# Altium PCB RYA_KiteUp.PcbDoc (part 3 of 3)
Units mil, origin at the board's own origin, x right, y up, seen from the top; angles counter-clockwise.
Board outline 3989.4 x 6289.4 mil, 2 copper layers (Top Layer, Bottom Layer); 144 components, 104 nets, 490 pads, 1685 vias.
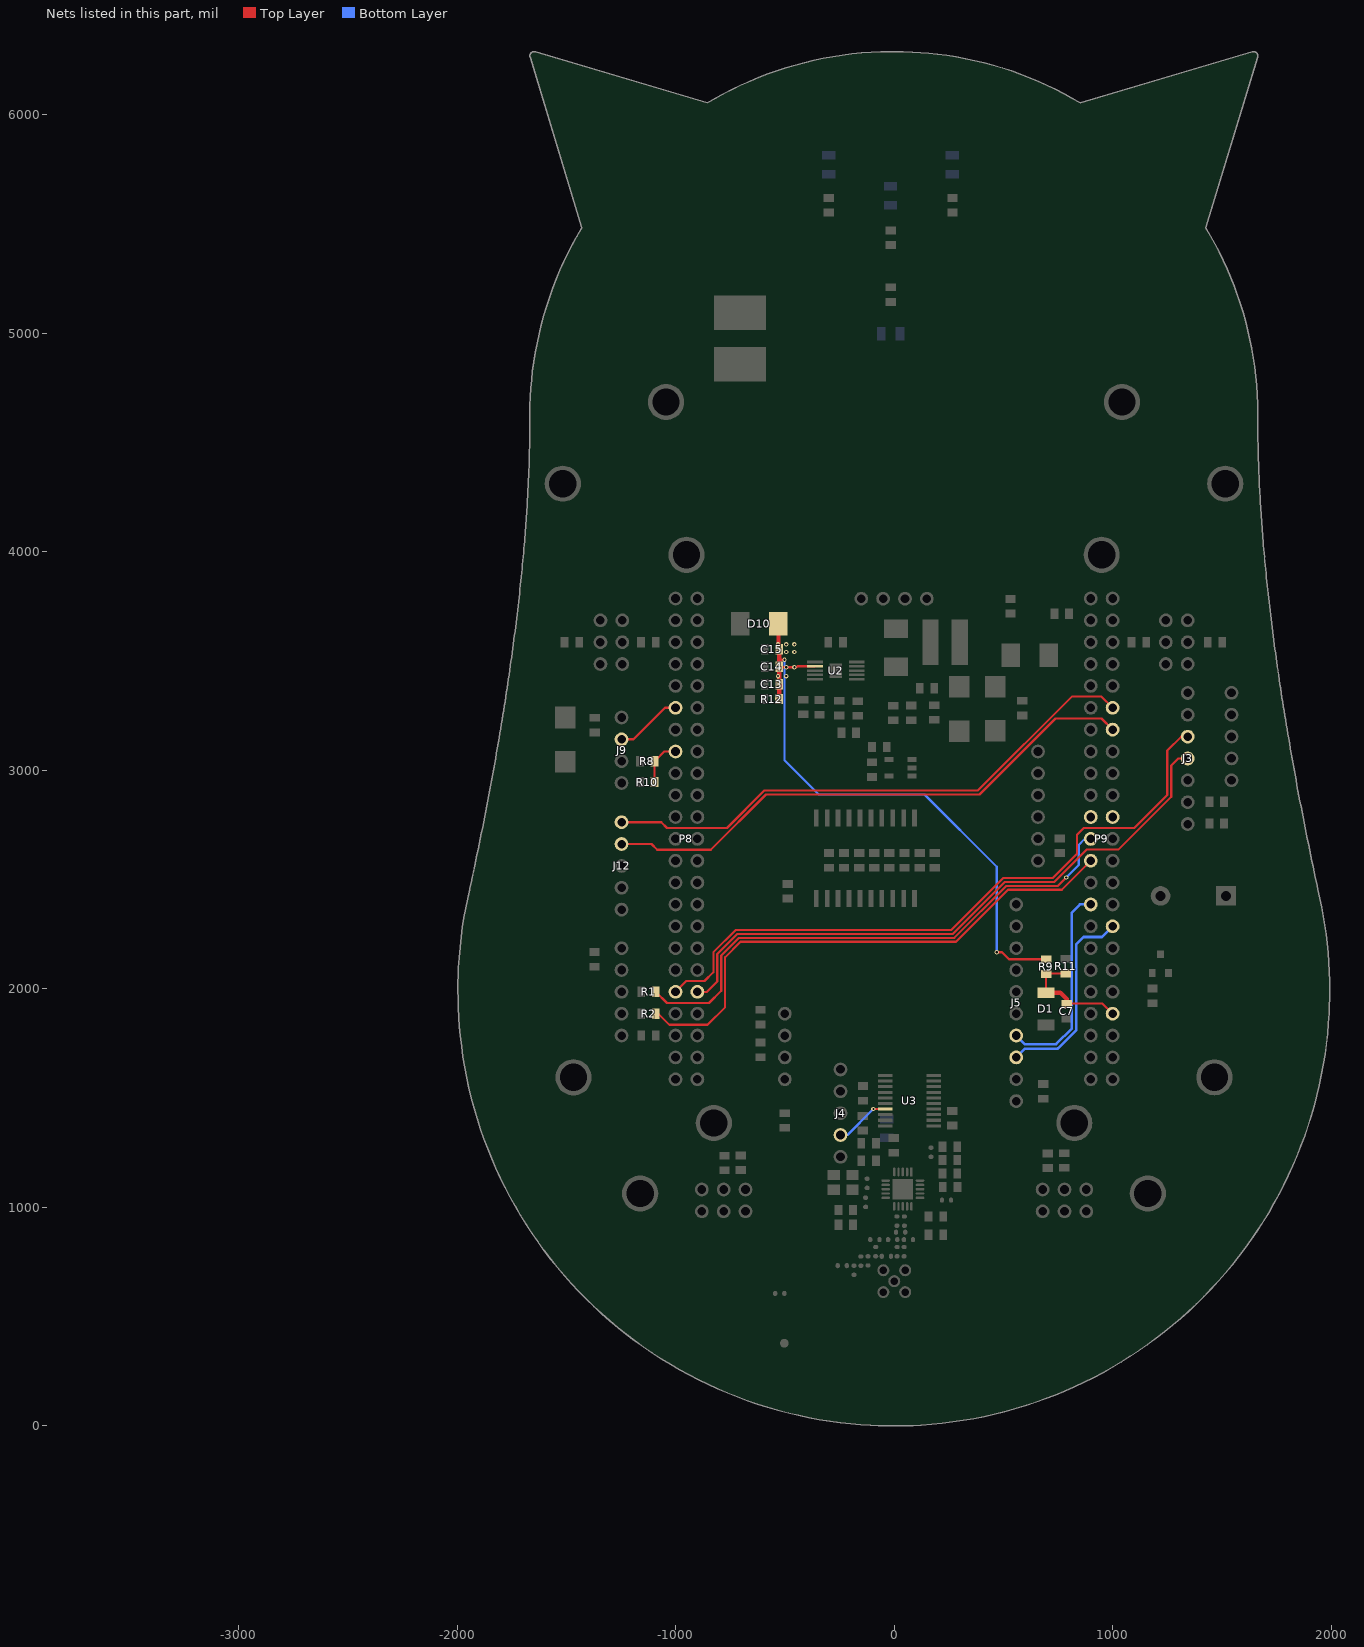
[diagram p3: the nets of this part, all layers, seen from the top]

## Via types
v1: diameter 20, hole 10, Top Layer to Bottom Layer, tented both sides, 1654 vias
v2: diameter 16, hole 8, Top Layer to Bottom Layer, tented both sides, 26 vias
v3: diameter 23.62, hole 11.81, Top Layer to Bottom Layer, tented both sides, 5 vias

## Nets (pads, with @x,y where several pads share a name; then routed paths per layer and width w, separated by ;. In a path a pad name is that pad's centre, name@x,y a point inside that pad or via, vN(x,y) a via of type N, cw(c..) or ccw(c..) an arc to the next point about the centre after c; other vN are vias at no path point) (continued)
SPI1_MOSI: J5.4 P9.30 | length 933.3
  Bottom Layer w11.81: J5.4@559,1786 599.19,1745.81 740.79,1745.81 741.98,1747 813.19,1818.19 813.19,2348.19 850.93,2385.93 P9.30@900.03,2385.93
SPI1_SCLK: J5.3 P9.31 | length 919.8
  Bottom Layer w11.81: J5.3@559,1686 599,1726 749,1726 750.19,1727.19 833,1809.98 833,2203 867,2237 951.1,2237 P9.31@1000.03,2285.93
SR04_ECHO: P8.16 R8.1 R10.1 | length 212.7
  Top Layer w10: R10.1@-1095.9,2945.94 R8.1@-1095.9,3040.94 ; R8.1@-1091.1,3035.94 -1091.1,3045.94 -1051.11,3085.93 P8.16@-999.97,3085.93
SR04_TRIG: J9.2 P8.12 | length 306.9
  Top Layer w10: J9.2@-1247.04,3141.51 -1192.49,3141.51 -1048.07,3285.93 P8.12@-999.97,3285.93
TEST: J4.2 U3.17 | length 253.3
  Top Layer w10: v1(-94.6,1449.6) U3.17@-40.9,1449.6
  Bottom Layer w10: J4.2@-245.1,1330.94 -213.25,1330.94 v1(-94.6,1449.6)
UART1_RX: P9.26 R2.2 | length 2456.2
  Top Layer w10: R2.2@-1090.17,1885.94 -1079.06,1885.94 -1028.11,1835 -854,1835 -773,1916 -773,2144.45 -702.46,2215 283.54,2215 521.54,2453 767.1,2453 P9.26@900.03,2585.93
UART1_TX: P9.24 R1.2 | length 2470.5
  Top Layer w10: R1.2@-1090.17,1985.94 -1039.22,1935 -847,1935 -791,1991 -791,2151.91 -709.91,2233 276.09,2233 514.09,2471 750,2471 v1(788,2509)
  Bottom Layer w10: v1(788,2509) 845,2566 845,2658 872.93,2685.93 P9.24@900.03,2685.93
UART2_RX: P9.22
UART2_TX: P9.21
UART4_RX: J12.1 P9.11 | length 2528
  Top Layer w10: J12.1@-1247.04,2762.27 -1065.27,2762.27 -1039,2736 -764.46,2736 -593.46,2907 383.54,2907 813.54,3337 948.96,3337 P9.11@1000.03,3285.93
UART4_TX: J12.2 P9.13 | length 2528
  Top Layer w10: J12.2@-1247.04,2662.27 -1110.36,2662.27 -1084.1,2636 -839,2636 -586,2889 391,2889 739,3237 948.96,3237 P9.13@1000.03,3185.93
UART5_RX: J3.3 P8.38 | length 3050.7
  Top Layer w10: P8.38@-999.97,1985.93 -950.62,2035.27 -867.28,2035.27 -827,2075.55 -827,2166.82 -724.82,2269 261.18,2269 499.18,2507 725.54,2507 837,2618.46 837,2704.67 868,2735.67 1099.21,2735.67 1250,2886.46 1250,3090 1313.78,3153.78 J3.3@1343.82,3153.78
UART5_TX: J3.4 P8.37 | length 2843.7
  Top Layer w10: P8.37@-899.97,1985.93 -856.39,1985.93 -809,2033.31 -809,2159.37 -717.37,2251 268.63,2251 506.63,2489 733,2489 880.72,2636.72 1025.72,2636.72 1268,2879 1268,3022 1299.78,3053.78 J3.4@1343.82,3053.78
VBAT: C13.2 C14.2 C15.2 D10.2 R9.1 R12.1 U2.2 | length 2805.2
  Top Layer w10: v1@-525.37,3433.19 v1@-523.12,3430.94 ; C14.2@-525.37,3473.19 -523.12,3470.94 v1(-493.6,3470.94) v1(-456.1,3470.94) -446.1,3470.94 -441.41,3475.63 U2.2@-361.57,3475.63 ; -525.37,3505.94 v1(-501.1,3505.94) ; v1(470,2167) 494,2167 526.06,2134.94 R9.1@695.9,2134.94
  Top Layer w20: D10.2@-529.09,3670.94 -529.09,3556.95 C15.2@-525.37,3553.23 -525.37,3505.94 C14.2@-525.37,3473.19 -525.37,3433.19 C13.2@-525.37,3393.15 -525.37,3327.52 R12.1@-526.94,3325.94
  Bottom Layer w10: v1(-501.1,3505.94) -501.1,3045.1 -345,2889 139,2889 470,2558 v1(470,2167)
  other v1: -531.1,3380.94 -531.1,3430.94 -493.6,3430.94 -531.1,3470.94 -531.1,3540.94 -493.6,3540.94 -456.1,3540.94 -531.1,3575.94 -493.6,3575.94 -456.1,3575.94
VBAT_SENSE: C7.2 D1.2 P9.39 R9.2 R11.1 | length 533.2
  Top Layer w10: D1.2@694.9,1981.76 695.9,1982.76 R9.2@695.9,2068.02 697.89,2070 R11.1@785,2070 ; C7.2@789.9,1932.87 953.09,1932.87 P9.39@1000.03,1885.93
  Top Layer w20: D1.2@694.9,1981.76 761.09,1981.76 789.9,1952.94 C7.2@789.9,1932.87
pads on no net: 1.1 2.1 3.1 4.1 H1.1 H2.1 H3.1 H4.1 H5.1 H6.1 H8.1 J5.5 J5.6 K7.1 P8.3 P8.4 P8.5 P8.6 P8.8 P8.10 P8.13 P8.14 P8.17 P8.18 P8.19 P8.20 P8.21 P8.22 P8.23 P8.24 P8.25 P8.26 P8.31 P8.33 P8.34 P8.35 P8.36 P8.43 P8.44 P8.45 P8.46 P9.9 P9.10 P9.12 P9.14 P9.15 P9.16 P9.23 P9.27 P9.32 P9.33 P9.34 P9.35 P9.36 P9.37 P9.38 P9.40 P9.41 P9.43 P9.44 P9.45 P9.46 U2.6 U3.2 U3.9 U3.10 U3.18 U3.19

## Polygon pours and split planes (outlines as drawn)
GND on Bottom Layer "Bottom Layer-No Net 1" (solid, remove dead copper, pour order 14): 280 vertices, not listed, extent -1990.54,17.32 1959.46,6267.32
GND on Top Layer "Top Layer - Gnd" (solid, remove dead copper, pour order 18): 280 vertices, not listed, extent -1990.54,17.32 1959.46,6267.32

## Keep-outs
Keep-Out Layer:
  lines w0.5: -3754.75,-780.75 -3754.53,-779.72 -3753.42,-774.58 ; 795.92,348.82 796.03,348.31
  lines w39.37: -1922.82,2450.07 -1921.7,2455.22 -1916.17,2480.94 -1910.69,2506.57 -1905.26,2532.12 -1899.9,2557.59 -1894.59,2582.98 -1889.33,2608.29 -1884.13,2633.52 -1878.99,2658.67 -1873.9,2683.73 -1868.88,2708.72 -1863.9,2733.63 -1858.99,2758.45 -1854.13,2783.2 -1849.32,2807.87 -1844.57,2832.45 -1839.88,2856.95 -1835.25,2881.38 -1830.67,2905.72 -1826.15,2929.98 -1821.68,2954.17 -1817.27,2978.27 -1812.92,3002.29 -1808.62,3026.23 -1804.38,3050.09 -1800.2,3073.87 -1796.07,3097.57 -1792,3121.19 -1787.98,3144.73 -1784.41,3165.84 -1780.89,3186.89 -1777.42,3207.88 -1773.99,3228.8 -1770.61,3249.65 -1767.27,3270.44 -1763.98,3291.17 -1760.73,3311.83 -1757.53,3332.42 -1754.38,3352.95 -1751.27,3373.41 -1748.2,3393.81 -1745.19,3414.15 -1742.21,3434.41 -1739.29,3454.62 -1736.41,3474.76 -1733.57,3494.83 -1730.78,3514.83 -1728.04,3534.78 -1725.34,3554.65 -1722.69,3574.47 -1720.08,3594.21 -1717.52,3613.89 -1715,3633.51 -1712.53,3653.06 -1710.11,3672.55 -1707.73,3691.97 -1705.39,3711.32 -1703.1,3730.61 -1700.86,3749.84 -1698.67,3769 -1696.51,3788.09 -1694.41,3807.12 -1692.35,3826.08 -1690.34,3844.98 -1688.37,3863.82 -1686.44,3882.58 -1684.57,3901.29 -1682.74,3919.92 -1680.95,3938.5 -1679.21,3957.01 -1677.51,3975.45 -1675.87,3993.82 -1674.26,4012.14 -1672.7,4030.38 -1671.36,4046.55 -1670.05,4062.66 -1668.77,4078.72 -1667.54,4094.73 -1666.33,4110.69 -1665.17,4126.6 -1664.04,4142.45 -1662.94,4158.26 -1661.89,4174.01 -1660.86,4189.71 -1659.88,4205.36 -1658.93,4220.96 -1658.02,4236.5 -1657.14,4252 -1656.3,4267.44 -1655.49,4282.83 -1654.72,4298.17 -1653.99,4313.46 -1653.29,4328.7 -1652.63,4343.89 -1652,4359.02 -1651.42,4374.1 -1650.86,4389.13 -1650.35,4404.11 -1649.86,4419.04 -1649.42,4433.92 -1649.01,4448.74 -1648.64,4463.52 -1648.3,4478.24 -1648,4492.91 -1647.74,4507.53 -1647.51,4522.1 -1647.32,4536.61 -1647.16,4551.08 -1647.04,4565.49 -1646.95,4579.85 -1646.91,4594.16 -1646.89,4608.42 -1646.92,4624.4 ; -1922.74,2450.41 ccw(c-10.07,1996.24) -1961.4,2234.77 ccw(c8,1993.99) -1973.53,2094.27 ccw(c28.28,1992.92) -1976.09,1992.83 ccw(c31.1,1992.77) -1974.57,1914.71 ccw(c12.38,1991.98) -1965.41,1786.25 ccw(c-15.3,1988.55) -1841.78,1275.94 ccw(c-0.63,1995.73) -242.75,33.76 ccw(c-2.3,2006.95) -105.15,21.83 ccw(c-1.19,2027.72) -1.09,19.14 15.25,19.2 ccw(c-0.89,2024.2) 122.32,22.93 ccw(c-0.75,1994.09) 1959.27,1751.34 ccw(c-10.01,1991.63) 1971.21,1888.84 ccw(c-30.69,1992.73) 1973.91,1992.83 ccw(c-32.79,1992.89) 1972.12,2077.53 ccw(c-13.65,1993.75) 1962.56,2205.62 ccw(c7.67,1996.17) 1920.47,2450.8 ; 1920.62,2450.07 1920.06,2452.64 1914.52,2478.36 1909.03,2504 1903.6,2529.56 1898.23,2555.04 1892.91,2580.44 1887.65,2605.76 1882.45,2630.99 1877.3,2656.15 1872.21,2681.23 1867.18,2706.22 1862.2,2731.14 1857.28,2755.97 1852.41,2780.72 1847.6,2805.4 1842.85,2829.99 1838.15,2854.5 1833.51,2878.93 1828.93,2903.29 1824.4,2927.56 1819.93,2951.75 1815.51,2975.86 1811.15,2999.89 1806.85,3023.84 1802.6,3047.7 1798.41,3071.49 1794.28,3095.2 1790.2,3118.83 1786.18,3142.37 1782.61,3163.5 1779.09,3184.55 1775.61,3205.55 1772.17,3226.47 1768.79,3247.34 1765.44,3268.13 1762.15,3288.86 1758.9,3309.53 1755.69,3330.13 1752.53,3350.67 1749.42,3371.14 1746.35,3391.55 1743.32,3411.89 1740.35,3432.16 1737.42,3452.37 1734.53,3472.52 1731.69,3492.6 1728.89,3512.61 1726.14,3532.56 1723.44,3552.44 1720.78,3572.26 1718.17,3592.02 1715.6,3611.7 1713.08,3631.33 1710.61,3650.89 1708.18,3670.38 1705.79,3689.81 1703.46,3709.17 1701.16,3728.47 1698.92,3747.7 1696.71,3766.86 1694.56,3785.97 1692.45,3805 1690.38,3823.97 1688.36,3842.88 1686.39,3861.72 1684.46,3880.5 1682.58,3899.21 1680.74,3917.85 1678.95,3936.43 1677.21,3954.95 1675.51,3973.4 1673.85,3991.78 1672.25,4010.1 1670.68,4028.35 1669.17,4046.54 1667.86,4062.66 1666.58,4078.72 1665.34,4094.73 1664.14,4110.69 1662.98,4126.59 1661.85,4142.45 1660.75,4158.25 1659.69,4174 1658.67,4189.71 1657.69,4205.35 1656.74,4220.95 1655.82,4236.5 1654.95,4251.99 1654.1,4267.44 1653.3,4282.83 1652.53,4298.17 1651.8,4313.46 1651.1,4328.7 1650.44,4343.88 1649.81,4359.02 1649.22,4374.1 1648.67,4389.13 1648.15,4404.11 1647.67,4419.04 1647.23,4433.91 1646.82,4448.74 1646.45,4463.51 1646.11,4478.23 1645.81,4492.9 1645.54,4507.52 1645.32,4522.09 1645.12,4536.61 1644.97,4551.07 1644.85,4565.48 1644.76,4579.85 1644.71,4594.16 cw(c7289.81,4606.1) 1644.7,4608.41 1644.73,4624.39 ; -1646.9,4615.97 -1646.9,4615.98 ; -1646.9,4615.97 -1646.9,4615.95 ; -1646.9,4616.02 -1646.9,4616.03 ; -1646.9,4616.01 -1646.9,4616.02 ; -1646.9,4616 -1646.9,4616.01 ; -1646.9,4616 -1646.9,4616 ; -1646.9,4615.99 -1646.9,4616 ; -1646.9,4615.98 -1646.9,4615.99 ; -1646.9,4616.07 -1646.9,4616.08 ; -1646.9,4616.06 -1646.9,4616.07 ; -1646.9,4616.05 -1646.9,4616.06 ; -1646.9,4616.05 -1646.9,4616.05 ; -1646.9,4616.04 -1646.9,4616.05 ; -1646.9,4616.03 -1646.9,4616.04 ; -1646.9,4616.12 -1646.9,4616.13 ; -1646.9,4616.11 -1646.9,4616.12 ; -1646.9,4616.11 -1646.9,4616.1 ; -1646.9,4616.1 -1646.9,4616.1 ; -1646.9,4616.09 -1646.9,4616.1 ; -1646.9,4616.09 -1646.9,4616.08 ; -1646.9,4616.17 -1646.9,4616.18 ; -1646.9,4616.17 -1646.9,4616.16 ; -1646.9,4616.16 -1646.9,4616.16 ; -1646.9,4616.15 -1646.9,4616.16 ; -1646.9,4616.14 -1646.9,4616.15 ; -1646.9,4616.14 -1646.9,4616.13 ; -1646.9,4616.22 -1646.9,4616.23 ; -1646.9,4616.22 -1646.9,4616.21 ; -1646.9,4616.21 -1646.9,4616.21 ; -1646.9,4616.2 -1646.9,4616.21 ; -1646.9,4616.2 -1646.9,4616.19 ; -1646.9,4616.18 -1646.9,4616.19 ; -1646.9,4616.27 -1646.9,4616.28 ; -1646.9,4616.27 -1646.9,4616.27 ; -1646.9,4616.26 -1646.9,4616.27 ; -1646.9,4616.26 -1646.9,4616.25 ; -1646.9,4616.24 -1646.9,4616.25 ; -1646.9,4616.23 -1646.9,4616.24 ; -1646.9,4616.32 -1646.9,4616.33 ; -1646.9,4616.32 -1646.9,4616.32 ; -1646.9,4616.31 -1646.9,4616.32 ; -1646.9,4616.31 -1646.9,4616.3 ; -1646.9,4616.29 -1646.9,4616.3 ; -1646.9,4616.28 -1646.9,4616.29 ; -1646.9,4616.37 -1646.9,4616.38 ; -1646.9,4616.37 -1646.9,4616.37 ; -1646.9,4616.37 -1646.9,4616.36 ; -1646.9,4616.35 -1646.9,4616.36 ; -1646.9,4616.34 -1646.9,4616.35 ; -1646.9,4616.34 -1646.9,4616.33 ; -1646.9,4616.42 -1646.9,4616.43 ; -1646.9,4616.41 -1646.9,4616.42 ; -1646.9,4616.4 -1646.9,4616.41 ; -1646.9,4616.39 -1646.9,4616.4 ; -1646.9,4616.39 -1646.9,4616.38 ; -1646.9,4616.47 -1646.9,4616.48 ; -1646.9,4616.46 -1646.9,4616.47 ; -1646.9,4616.45 -1646.9,4616.46 ; -1646.9,4616.45 -1646.9,4616.44 ; -1646.9,4616.43 -1646.9,4616.44 ; -1646.9,4616.43 -1646.9,4616.43 ; -1646.91,4616.52 -1646.91,4616.53 ; -1646.91,4616.51 -1646.91,4616.52 ; -1646.91,4616.51 -1646.9,4616.5 ; -1646.9,4616.49 -1646.9,4616.5 ; -1646.9,4616.48 -1646.9,4616.49 ; -1646.9,4616.48 -1646.9,4616.48 ; -1646.91,4616.57 -1646.91,4616.58 ; -1646.91,4616.56 -1646.91,4616.57 ; -1646.91,4616.56 -1646.91,4616.55 ; -1646.91,4616.54 -1646.91,4616.55 ; -1646.91,4616.53 -1646.91,4616.54 ; -1646.91,4616.53 -1646.91,4616.53 ; -1646.91,4616.62 -1646.91,4616.63 ; -1646.91,4616.62 -1646.91,4616.61 ; -1646.91,4616.6 -1646.91,4616.61 ; -1646.91,4616.59 -1646.91,4616.6 ; -1646.91,4616.59 -1646.91,4616.59 ; -1646.91,4616.58 -1646.91,4616.59 ; -1646.91,4616.67 -1646.91,4616.68 ; -1646.91,4616.66 -1646.91,4616.67 ; -1646.91,4616.65 -1646.91,4616.66 ; -1646.91,4616.64 -1646.91,4616.65 ; -1646.91,4616.64 -1646.91,4616.64 ; -1646.91,4616.63 -1646.91,4616.64 ; -1646.91,4616.72 -1646.91,4616.73 ; -1646.91,4616.71 -1646.91,4616.72 ; -1646.91,4616.7 -1646.91,4616.71 ; -1646.91,4616.7 -1646.91,4616.7 ; -1646.91,4616.69 -1646.91,4616.7 ; -1646.91,4616.68 -1646.91,4616.69 ; -1646.91,4616.77 -1646.91,4616.79 ; -1646.91,4616.76 -1646.91,4616.77 ; -1646.91,4616.76 -1646.91,4616.75 ; -1646.91,4616.75 -1646.91,4616.75 ; -1646.91,4616.74 -1646.91,4616.75 ; -1646.91,4616.73 -1646.91,4616.74 ; -1646.91,4616.82 -1646.91,4616.84 ; -1646.91,4616.82 -1646.91,4616.8 ; -1646.91,4616.79 -1646.91,4616.8 ; -1646.91,4616.87 -1646.91,4616.89 ; -1646.91,4616.87 -1646.91,4616.86 ; -1646.91,4616.86 -1646.91,4616.84 ; -1646.91,4616.92 -1646.91,4616.94 ; -1646.91,4616.91 -1646.91,4616.92 ; -1646.91,4616.91 -1646.91,4616.89 ; -1646.91,4616.97 -1646.91,4616.99 ; -1646.91,4616.96 -1646.91,4616.97 ; -1646.91,4616.96 -1646.91,4616.94 ; -1646.91,4617.02 -1646.91,4617.04 ; -1646.91,4617.02 -1646.91,4617.01 ; -1646.91,4616.99 -1646.91,4617.01 ; -1646.91,4617.07 -1646.91,4617.09 ; -1646.91,4617.07 -1646.91,4617.06 ; -1646.91,4617.06 -1646.91,4617.04 ; -1646.91,4617.11 -1646.91,4617.13 ; -1646.91,4617.11 -1646.91,4617.09 ; -1646.91,4617.16 -1646.91,4617.18 ; -1646.91,4617.16 -1646.91,4617.14 ; -1646.91,4617.14 -1646.91,4617.13 ; -1646.91,4617.21 -1646.91,4617.23 ; -1646.91,4617.19 -1646.91,4617.21 ; -1646.91,4617.19 -1646.91,4617.18 ; -1646.91,4617.26 -1646.91,4617.28 ; -1646.91,4617.24 -1646.91,4617.26 ; -1646.91,4617.24 -1646.91,4617.23 ; -1646.91,4617.31 -1646.91,4617.33 ; -1646.91,4617.31 -1646.91,4617.29 ; -1646.91,4617.28 -1646.91,4617.29 ; -1646.91,4617.36 -1646.91,4617.38 ; -1646.91,4617.36 -1646.91,4617.34 ; -1646.91,4617.34 -1646.91,4617.33 ; -1646.91,4617.41 -1646.91,4617.43 ; -1646.91,4617.4 -1646.91,4617.41 ; -1646.91,4617.4 -1646.91,4617.38 ; -1646.91,4617.46 -1646.91,4617.48 ; -1646.91,4617.45 -1646.91,4617.46 ; -1646.91,4617.45 -1646.91,4617.43 ; -1646.91,4617.51 -1646.91,4617.53 ; -1646.91,4617.51 -1646.91,4617.5 ; -1646.91,4617.48 -1646.91,4617.5 ; -1646.91,4617.56 -1646.91,4617.58 ; -1646.91,4617.56 -1646.91,4617.55 ; -1646.91,4617.55 -1646.91,4617.53 ; -1646.91,4617.61 -1646.91,4617.64 ; -1646.91,4617.6 -1646.91,4617.61 ; -1646.91,4617.6 -1646.91,4617.58 ; -1646.91,4617.67 -1646.91,4617.69 ; -1646.91,4617.67 -1646.91,4617.64 ; -1646.91,4617.72 -1646.91,4617.74 ; -1646.91,4617.72 -1646.91,4617.69 ; -1646.91,4617.77 -1646.91,4617.79 ; -1646.91,4617.77 -1646.91,4617.74 ; -1646.91,4617.82 -1646.91,4617.84 ; -1646.91,4617.82 -1646.91,4617.79 ; -1646.91,4617.87 -1646.91,4617.89 ; -1646.91,4617.87 -1646.91,4617.84 ; -1646.91,4617.92 -1646.91,4617.94 ; -1646.91,4617.92 -1646.91,4617.89 ; -1646.91,4617.97 -1646.91,4617.99 ; -1646.91,4617.97 -1646.91,4617.94 ; -1646.91,4618.02 -1646.91,4618.05 ; -1646.91,4618.02 -1646.91,4617.99 ; -1646.91,4618.07 -1646.91,4618.1 ; -1646.91,4618.07 -1646.91,4618.05 ; -1646.91,4618.12 -1646.91,4618.15 ; -1646.91,4618.1 -1646.91,4618.12 ; -1646.91,4618.17 -1646.91,4618.2 ; -1646.91,4618.17 -1646.91,4618.15 ; -1646.91,4618.22 -1646.91,4618.25 ; -1646.91,4618.22 -1646.91,4618.2 ; -1646.91,4618.27 -1646.91,4618.3 ; -1646.91,4618.25 -1646.91,4618.27 ; -1646.91,4618.32 -1646.91,4618.35 ; -1646.91,4618.32 -1646.91,4618.3 ; -1646.91,4618.37 -1646.91,4618.4 -1646.91,4618.43 ; -1646.91,4618.37 -1646.91,4618.35 ; -1646.91,4618.45 -1646.91,4618.48 ; -1646.91,4618.45 -1646.91,4618.43 ; -1646.91,4618.52 -1646.91,4618.55 -1646.91,4618.59 ; -1646.91,4618.52 -1646.91,4618.48 ; -1646.91,4618.62 -1646.91,4618.65 -1646.91,4618.69 ; -1646.91,4618.62 -1646.91,4618.59 ; -1646.91,4618.72 -1646.91,4618.75 -1646.91,4618.79 ; -1646.91,4618.72 -1646.91,4618.69 ; -1646.91,4618.82 -1646.91,4618.86 -1646.91,4618.89 ; -1646.91,4618.82 -1646.91,4618.79 ; -1646.91,4618.92 -1646.91,4618.96 -1646.91,4618.99 ; -1646.91,4618.92 -1646.91,4618.89 ; -1646.91,4619.02 -1646.91,4619.06 -1646.91,4619.09 -1646.91,4619.13 ; -1646.91,4619.02 -1646.91,4618.99 ; -1646.91,4619.16 -1646.91,4619.19 -1646.91,4619.23 ; -1646.91,4619.16 -1646.91,4619.13 ; -1646.91,4619.26 -1646.91,4619.3 -1646.91,4619.34 -1646.91,4619.38 ; -1646.91,4619.26 -1646.91,4619.23 ; -1646.91,4619.42 -1646.91,4619.46 -1646.91,4619.51 -1646.91,4619.55 -1646.92,4619.59 -1646.92,4619.63 -1646.92,4619.68 ; -1646.91,4619.42 -1646.91,4619.38 ; -1646.92,4619.72 -1646.92,4619.76 -1646.92,4619.8 -1646.92,4619.84 -1646.92,4619.89 -1646.92,4619.93 ; -1646.92,4619.72 -1646.92,4619.68 ; -1646.92,4619.97 -1646.92,4620.01 -1646.92,4620.06 -1646.92,4620.1 -1646.92,4620.14 -1646.92,4620.19 -1646.92,4620.24 -1646.92,4620.29 -1646.92,4620.34 -1646.92,4620.39 -1646.92,4620.44 -1646.92,4620.49 -1646.92,4620.55 -1646.92,4620.6 -1646.92,4620.65 -1646.92,4620.7 -1646.92,4620.75 -1646.92,4620.8 -1646.92,4620.85 -1646.92,4620.9 -1646.92,4620.95 -1646.92,4621 -1646.92,4621.06 -1646.92,4621.12 -1646.92,4621.18 -1646.92,4621.24 -1646.92,4621.3 -1646.92,4621.36 -1646.92,4621.42 -1646.92,4621.47 -1646.92,4621.53 -1646.92,4621.59 -1646.92,4621.65 -1646.92,4621.71 -1646.92,4621.77 -1646.92,4621.83 -1646.92,4621.89 -1646.92,4621.96 -1646.92,4622.02 -1646.92,4622.09 -1646.92,4622.16 -1646.92,4622.23 -1646.92,4622.29 -1646.92,4622.36 -1646.92,4622.43 -1646.92,4622.5 -1646.92,4622.56 -1646.92,4622.63 -1646.92,4622.7 -1646.92,4622.77 -1646.92,4622.84 -1646.92,4622.92 -1646.92,4623 -1646.92,4623.07 -1646.92,4623.15 -1646.92,4623.22 -1646.92,4623.3 -1646.92,4623.38 -1646.92,4623.45 -1646.92,4623.53 -1646.92,4623.6 -1646.92,4623.69 -1646.92,4623.77 -1646.92,4623.86 -1646.92,4623.94 -1646.92,4624.03 -1646.92,4624.11 -1646.92,4624.2 -1646.92,4624.28 -1646.92,4624.36 -1646.92,4624.4 ; -1646.92,4619.97 -1646.92,4619.93 ; -1646.92,4624.4 cw(c23.71,4624.47) -1644.81,4708.46 cw(c6.68,4625.36) -1635.11,4822.47 cw(c-13.06,4628.03) -1407.18,5479.67 -1646.92,6269.13 -852.42,6032.29 cw(c-4.49,4631.95) -104.07,6265.97 cw(c-1.26,4598.51) -16.03,6269.07 -1.09,6269.14 cw(c-1.02,4595.13) 82.53,6267.05 cw(c-0.14,4612.1) 195.03,6257.58 cw(c2.67,4632.74) 850.24,6032.29 1644.74,6269.13 1405,5479.66 cw(c10.07,4627.66) 1642.13,4717.74 cw(c-24.27,4624.52) 1644.72,4631.91 1644.74,4624.4 ; 1644.71,4614.83 1644.71,4614.84 ; 1644.71,4614.84 1644.71,4614.85 ; 1644.71,4614.85 1644.71,4614.86 ; 1644.71,4614.86 1644.71,4614.87 ; 1644.71,4614.87 1644.71,4614.88 ; 1644.71,4614.88 1644.71,4614.89 ; 1644.71,4614.89 1644.71,4614.9 ; 1644.71,4614.9 1644.71,4614.9 ; 1644.71,4614.9 1644.71,4614.91 ; 1644.71,4614.91 1644.71,4614.92 ; 1644.71,4614.92 1644.71,4614.93 ; 1644.71,4614.93 1644.71,4614.94 ; 1644.71,4614.94 1644.71,4614.95 ; 1644.71,4614.95 1644.71,4614.96 ; 1644.71,4614.96 1644.71,4614.97 ; 1644.71,4614.97 1644.71,4614.98 ; 1644.71,4614.98 1644.71,4614.99 ; 1644.71,4614.99 1644.71,4615 ; 1644.71,4615 1644.71,4615.01 ; 1644.71,4615.01 1644.71,4615.02 ; 1644.71,4615.02 1644.71,4615.03 ; 1644.71,4615.03 1644.71,4615.04 ; 1644.71,4615.04 1644.71,4615.05 ; 1644.71,4615.05 1644.71,4615.06 ; 1644.71,4615.06 1644.71,4615.07 ; 1644.71,4615.07 1644.71,4615.08 ; 1644.71,4615.08 1644.71,4615.09 ; 1644.71,4615.09 1644.71,4615.1 ; 1644.71,4615.1 1644.71,4615.11 ; 1644.71,4615.11 1644.71,4615.12 ; 1644.71,4615.12 1644.71,4615.12 ; 1644.71,4615.12 1644.71,4615.13 ; 1644.71,4615.13 1644.71,4615.14 ; 1644.71,4615.14 1644.71,4615.15 ; 1644.71,4615.15 1644.71,4615.16 ; 1644.71,4615.16 1644.71,4615.17 ; 1644.71,4615.17 1644.71,4615.18 ; 1644.71,4615.18 1644.71,4615.19 ; 1644.71,4615.19 1644.71,4615.2 ; 1644.71,4615.2 1644.71,4615.21 ; 1644.71,4615.21 1644.71,4615.22 ; 1644.71,4615.22 1644.71,4615.23 ; 1644.71,4615.23 1644.71,4615.24 ; 1644.71,4615.24 1644.71,4615.25 ; 1644.71,4615.25 1644.71,4615.26 ; 1644.71,4615.26 1644.71,4615.27 ; 1644.71,4615.27 1644.71,4615.28 ; 1644.71,4615.28 1644.71,4615.29 ; 1644.71,4615.29 1644.71,4615.3 ; 1644.71,4615.3 1644.71,4615.31 ; 1644.71,4615.31 1644.71,4615.32 ; 1644.71,4615.32 1644.71,4615.33 ; 1644.71,4615.33 1644.71,4615.34 ; 1644.71,4615.34 1644.71,4615.34 ; 1644.71,4615.34 1644.71,4615.35 ; 1644.71,4615.35 1644.71,4615.36 ; 1644.71,4615.36 1644.71,4615.37 ; 1644.71,4615.37 1644.71,4615.38 ; 1644.71,4615.38 1644.71,4615.39 ; 1644.71,4615.39 1644.71,4615.4 ; 1644.71,4615.4 1644.71,4615.41 ; 1644.71,4615.41 1644.71,4615.42 ; 1644.71,4615.42 1644.71,4615.43 ; 1644.71,4615.43 1644.71,4615.44 ; 1644.71,4615.44 1644.71,4615.45 ; 1644.71,4615.45 1644.71,4615.46 ; 1644.71,4615.46 1644.71,4615.47 ; 1644.71,4615.47 1644.71,4615.48 ; 1644.71,4615.48 1644.71,4615.49 ; 1644.71,4615.49 1644.71,4615.5 ; 1644.71,4615.5 1644.71,4615.51 ; 1644.71,4615.51 1644.71,4615.52 ; 1644.71,4615.52 1644.71,4615.53 ; 1644.71,4615.53 1644.71,4615.54 ; 1644.71,4615.54 1644.71,4615.55 ; 1644.71,4615.55 1644.71,4615.56 ; 1644.71,4615.56 1644.71,4615.56 ; 1644.71,4615.56 1644.71,4615.57 ; 1644.71,4615.57 1644.71,4615.58 ; 1644.71,4615.58 1644.71,4615.59 ; 1644.71,4615.59 1644.71,4615.6 ; 1644.71,4615.6 1644.71,4615.61 ; 1644.71,4615.61 1644.71,4615.62 ; 1644.71,4615.62 1644.71,4615.63 ; 1644.71,4615.63 1644.71,4615.64 ; 1644.71,4615.64 1644.71,4615.65 ; 1644.71,4615.65 1644.71,4615.66 ; 1644.71,4615.66 1644.71,4615.67 ; 1644.71,4615.67 1644.71,4615.68 ; 1644.71,4615.68 1644.71,4615.69 ; 1644.71,4615.69 1644.71,4615.7 ; 1644.71,4615.7 1644.71,4615.71 ; 1644.71,4615.71 1644.71,4615.72 ; 1644.71,4615.72 1644.71,4615.73 ; 1644.71,4615.73 1644.71,4615.74 ; 1644.71,4615.74 1644.71,4615.75 ; 1644.71,4615.75 1644.71,4615.76 ; 1644.71,4615.76 1644.71,4615.77 ; 1644.71,4615.77 1644.71,4615.78 ; 1644.71,4615.78 1644.71,4615.78 ; 1644.71,4615.78 1644.71,4615.8 ; 1644.71,4615.8 1644.71,4615.82 ; 1644.71,4615.82 1644.71,4615.84 ; 1644.71,4615.84 1644.71,4615.86 ; 1644.71,4615.86 1644.71,4615.88 ; 1644.71,4615.88 1644.71,4615.9 ; 1644.71,4615.9 1644.71,4615.92 ; 1644.71,4615.92 1644.71,4615.94 ; 1644.71,4615.94 1644.71,4615.96 ; 1644.71,4615.96 1644.71,4615.98 ; 1644.71,4615.98 1644.71,4616 ; 1644.71,4616 1644.71,4616.01 ; 1644.71,4616.01 1644.71,4616.03 ; 1644.71,4616.03 1644.71,4616.05 ; 1644.71,4616.05 1644.71,4616.07 ; 1644.71,4616.07 1644.71,4616.09 ; 1644.71,4616.09 1644.71,4616.11 ; 1644.71,4616.11 1644.71,4616.13 ; 1644.71,4616.13 1644.71,4616.15 ; 1644.71,4616.15 1644.71,4616.17 ; 1644.71,4616.17 1644.71,4616.19 ; 1644.71,4616.19 1644.71,4616.21 ; 1644.71,4616.21 1644.71,4616.23 ; 1644.71,4616.23 1644.71,4616.24 ; 1644.71,4616.24 1644.71,4616.26 ; 1644.71,4616.26 1644.71,4616.28 ; 1644.71,4616.28 1644.71,4616.3 ; 1644.71,4616.3 1644.71,4616.32 ; 1644.71,4616.32 1644.71,4616.34 ; 1644.71,4616.34 1644.71,4616.36 ; 1644.71,4616.36 1644.71,4616.38 ; 1644.71,4616.38 1644.71,4616.4 ; 1644.71,4616.4 1644.71,4616.42 ; 1644.71,4616.42 1644.71,4616.44 ; 1644.71,4616.44 1644.71,4616.45 ; 1644.71,4616.45 1644.71,4616.47 ; 1644.71,4616.47 1644.71,4616.49 ; 1644.71,4616.49 1644.71,4616.51 ; 1644.71,4616.51 1644.71,4616.53 ; 1644.71,4616.53 1644.72,4616.55 ; 1644.72,4616.55 1644.72,4616.57 ; 1644.72,4616.57 1644.72,4616.59 ; 1644.72,4616.59 1644.72,4616.61 ; 1644.72,4616.61 1644.72,4616.63 ; 1644.72,4616.63 1644.72,4616.65 ; 1644.72,4616.65 1644.72,4616.67 ; 1644.72,4616.67 1644.72,4616.68 ; 1644.72,4616.68 1644.72,4616.7 ; 1644.72,4616.7 1644.72,4616.72 ; 1644.72,4616.72 1644.72,4616.75 1644.72,4616.78 ; 1644.72,4616.78 1644.72,4616.81 ; 1644.72,4616.81 1644.72,4616.84 ; 1644.72,4616.84 1644.72,4616.87 ; 1644.72,4616.87 1644.72,4616.9 ; 1644.72,4616.9 1644.72,4616.92 ; 1644.72,4616.92 1644.72,4616.95 1644.72,4616.98 ; 1644.72,4616.98 1644.72,4617.01 ; 1644.72,4617.01 1644.72,4617.04 ; 1644.72,4617.04 1644.72,4617.07 ; 1644.72,4617.07 1644.72,4617.1 ; 1644.72,4617.1 1644.72,4617.12 ; 1644.72,4617.12 1644.72,4617.15 1644.72,4617.18 ; 1644.72,4617.18 1644.72,4617.21 ; 1644.72,4617.21 1644.72,4617.24 ; 1644.72,4617.24 1644.72,4617.27 ; 1644.72,4617.27 1644.72,4617.3 1644.72,4617.33 ; 1644.72,4617.33 1644.72,4617.35 ; 1644.72,4617.35 1644.72,4617.38 ; 1644.72,4617.38 1644.72,4617.41 ; 1644.72,4617.41 1644.72,4617.44 ; 1644.72,4617.44 1644.72,4617.47 ; 1644.72,4617.47 1644.72,4617.5 1644.72,4617.53 ; 1644.72,4617.53 1644.72,4617.56 ; 1644.72,4617.56 1644.72,4617.58 ; 1644.72,4617.58 1644.72,4617.61 ; 1644.72,4617.61 1644.72,4617.64 ; 1644.72,4617.64 1644.72,4617.67 ; 1644.72,4617.67 1644.72,4617.7 1644.72,4617.74 1644.72,4617.78 ; 1644.72,4617.78 1644.72,4617.81 ; 1644.72,4617.81 1644.72,4617.85 1644.72,4617.89 1644.72,4617.93 ; 1644.72,4617.93 1644.72,4617.97 ; 1644.72,4617.97 1644.72,4618.01 1644.72,4618.04 1644.72,4618.08 ; 1644.72,4618.08 1644.72,4618.12 ; 1644.72,4618.12 1644.72,4618.16 1644.72,4618.2 1644.72,4618.23 ; 1644.72,4618.23 1644.72,4618.27 ; 1644.72,4618.27 1644.72,4618.31 1644.72,4618.35 1644.72,4618.39 1644.72,4618.43 ; 1644.72,4618.43 1644.72,4618.46 ; 1644.72,4618.46 1644.72,4618.5 1644.72,4618.54 1644.72,4618.58 ; 1644.72,4618.58 1644.72,4618.62 ; 1644.72,4618.62 1644.72,4618.67 1644.72,4618.71 1644.72,4618.76 1644.72,4618.81 1644.72,4618.86 1644.73,4618.9 1644.73,4618.95 1644.73,4619 1644.73,4619.05 1644.73,4619.1 1644.73,4619.14 1644.73,4619.19 1644.73,4619.24 1644.73,4619.29 1644.73,4619.34 1644.73,4619.38 1644.73,4619.43 1644.73,4619.48 1644.73,4619.53 ; 1644.73,4619.53 1644.73,4619.57 ; 1644.73,4619.57 1644.73,4619.63 1644.73,4619.69 1644.73,4619.75 1644.73,4619.8 1644.73,4619.86 1644.73,4619.92 1644.73,4619.98 1644.73,4620.03 1644.73,4620.09 1644.73,4620.15 1644.73,4620.21 1644.73,4620.26 1644.73,4620.32 1644.73,4620.38 1644.73,4620.44 1644.73,4620.49 1644.73,4620.55 1644.73,4620.62 1644.73,4620.68 1644.73,4620.75 1644.73,4620.82 1644.73,4620.89 1644.73,4620.95 1644.73,4621.02 1644.73,4621.09 1644.73,4621.15 1644.73,4621.22 1644.73,4621.29 1644.73,4621.35 1644.73,4621.42 1644.73,4621.49 1644.73,4621.57 1644.73,4621.64 1644.73,4621.72 1644.73,4621.8 1644.73,4621.87 1644.73,4621.95 1644.73,4622.02 1644.73,4622.1 1644.73,4622.18 1644.73,4622.25 1644.74,4622.33 1644.74,4622.41 1644.74,4622.48 1644.74,4622.57 1644.74,4622.66 1644.74,4622.74 1644.74,4622.83 1644.74,4622.91 1644.74,4623 1644.74,4623.09 1644.74,4623.17 1644.74,4623.26 1644.74,4623.35 1644.74,4623.43 1644.74,4623.53 1644.74,4623.62 1644.74,4623.72 1644.74,4623.81 1644.74,4623.91 1644.74,4624.01 1644.74,4624.1 1644.74,4624.2 1644.74,4624.29 1644.74,4624.4

## Other copper
Top Layer:
  region net NetD10_1: -766.1,3615.94 -766.1,3830.94 -691.1,3905.94 -641.1,3905.94 -616.1,3880.94 -616.1,3755.94 -641.1,3730.94 -641.1,3615.94 -666.1,3590.94 -741.1,3590.94
  region net NetD10_1: -819.06,4940.94 -585.94,4940.94 -571,4926 -571,4793 -668,4696 -786,4696 -855.12,4765.12 -855.12,4904.88
  pour cut-out: -1428.59,595 -1428.59,0.94 1426.41,0.94 1426.41,595
  region net VBAT: -591.1,3730.94 -466.1,3730.94 -441.1,3705.94 -441.1,3510.94 -411.1,3480.94 -411.1,3470.94 -436.1,3470.94 -491.1,3415.94 -491.1,3380.94 -506.1,3365.94 -541.1,3365.94 -546.1,3370.94 -546.1,3575.94 -591.1,3620.94
  region net NetC8_2: -207.1,3489.94 -107.1,3489.94 -86.1,3510.94 -86.1,3580.94 -66.1,3600.94 73.9,3600.94 93.9,3580.94 93.9,3475.94 103.9,3465.94 208.9,3465.94 208.9,3695.94 199.9,3704.94 -52.1,3704.94 -121.1,3635.94 -121.1,3515.94 -136.1,3500.94 -207.1,3500.94
  region net 5V: 470,3422.85 470,3351 460,3340.94 383.9,3340.94 368.9,3325.94 258.9,3325.94 212.9,3279.94 160.9,3279.94 160.9,3314.94 217.9,3314.94 243.9,3340.94 243.9,3460.94 258.9,3475.94 258.9,3695.94 268.9,3705.94 348.9,3705.94 358.9,3695.94 358.9,3533.94
  pour cut-out: 348.9,3701.94 115.9,3701.94 115.9,3467.94 348.9,3467.94
  region net 5V_BBG: 646,3577.05 739.95,3577.05 755,3562 755,3465 742,3452 646,3452
Bottom Layer:
  pour cut-out: -1428.59,595 -1428.59,0.94 1426.41,0.94 1426.41,595
  region net VBAT: -546.1,3575.94 -536.1,3585.94 -451.1,3585.94 -441.1,3575.94 -441.1,3465.94 -491.1,3415.94 -491.1,3380.94 -506.1,3365.94 -541.1,3365.94 -546.1,3370.94
  region net 5V: 243.9,3403.94 271.96,3432 486,3432 510,3408 510,3345 490.94,3325.94 257.9,3325.94 243.9,3339.94
  region net NetD10_1: -820,4941 -855,4906 -855,4765 -691,4601 -691,3802 -668,3779 -638,3779 -616,3801 -616,4611 -618,4613 -567,4664 -567,4921 -587,4941
  region net 5V_BBG: 760,3501 755,3506 755,3513 748,3520 711,3520 706,3515 706,3460 714,3452 751,3452 755,3456 755,3466 760,3471

## Silkscreen, mask and mechanical layers (free items; w line width, h text height)
Top Overlay:
  lines w10: -191.1,1680.94 -191.1,1725.94 -146.1,1770.94 -6.1,1770.94 13.9,1750.94 13.9,1670.94 23.9,1660.94 238.9,1660.94 ; -91.1,747.94 83.9,747.94 ; 83.9,745.94 128.9,700.94 458.9,700.94 ; 458.9,520.94 458.9,530.94 ; 458.9,765.94 458.9,700.94 ; 758.9,440.94 458.9,440.94 458.9,700.94
  text "BAT-" at -499.1,5079.94 h70
  text "BAT+" at -499.1,4810.94 h70
  text "RC3" at 1173.9,3900.94 h40
  text "RC5" at 1323.9,3900.94 h40
  text "RC1" at -1426.1,3890.94 h40
  text "RC6" at -1276.1,3890.94 h40
  text "5V" at 1173.9,3835.94 h40
  text "5V" at 1323.9,3835.94 h40
  text "5V" at -1426.1,3825.94 h40
  text "5V" at -1276.1,3825.94 h40
  text "GND" at 1173.9,3770.94 h40
  text "GND" at 1323.9,3770.94 h40
  text "GND" at -1426.1,3760.94 h40
  text "GND" at -1276.1,3760.94 h40
  text "OLED" at -391.1,3760.94 h40
  text "+" at 363.07,3395.51 h40
  text "-" at 609.92,3395.51 h40
  text "SDA" at 1616.35,3337.64 h40
  text "SDA2" at 1116.35,3332.64 h40
  text "SCL" at 1616.35,3238.42 h40
  text "SCL2" at 1116.35,3233.12 h40
  text "5V" at -1679.92,3199.28 h40
  text "SRF04" at -1084,3177 h40 r90
  text "GPS" at 1462,3138 h40 r90
  text "3V3" at 1616.35,3138.42 h40
  text "RXD" at 1116.35,3133.61 h40
  text "TRIG" at -1753.23,3099.62 h40
  text "5V" at 1616.35,3036.85 h40
  text "TXD" at 1116.35,3034.09 h40
  text "ECHO" at -1759.89,2999.95 h40
  text "GND" at 1116.35,2934.58 h40
  text "GND" at 1616.35,2930.55 h40
  text "GND" at -1719.9,2900.28 h40
  text "BMP280" at 575,2858 h40 r90
  text "3V3" at 1116.35,2835.06 h40
  text "U4RX" at -1536.1,2748.15 h40
  text "5V" at 1116.35,2735.55 h40
  text "U4TX" at -1536.1,2647.85 h40
  text "3V3" at -1536.1,2547.55 h40
  text "5V" at -1536.1,2447.25 h40
  text "GND" at -1536.1,2346.94 h40
  text "MPU 9250" at 485,2216 h40 r90
  text "5V" at -1542.1,2160.15 h40
  text "PPM" at -535,2153 h40
  text "5V" at -535,2091.33 h40
  text "GND" at -1542.1,2059.85 h40
  text "GND" at -535,2029.67 h40
  text "3V3" at -535,1968 h40
  text "RXD" at -1542.1,1959.55 h40
  text "TXD" at -1542.1,1859.25 h40
  text "SET" at -1542.1,1758.94 h40
  text "CC1101" at -1332.1,1744.94 h40 r90
  text "3V3" at 63.9,1685.94 h30 r90
  text "TEST" at 107.65,1685.94 h30 r90
  text "RST" at 151.4,1685.94 h30 r90
  text "PPM" at 195.15,1685.94 h30 r90
  text "GND" at 238.9,1685.94 h30 r90
  text "1" at 63.9,1635.94 h30 r90
  text "1" at -301.1,1230.94 h40 r90
  text "GND" at 907.9,802.94 h40 r90
  text "5V" at 972.9,802.94 h40 r90
  text "RC2" at 1037.9,802.94 h40 r90
  text "RC7" at -968.1,790.94 h40 r90
  text "5V" at -903.1,790.94 h40 r90
  text "GND" at -838.1,790.94 h40 r90
  text "GND" at 907.9,652.94 h40 r90
  text "5V" at 972.9,652.94 h40 r90
  text "RC8" at 1037.9,652.94 h40 r90
  text "RC4" at -968.1,640.94 h40 r90
  text "5V" at -903.1,640.94 h40 r90
  text "GND" at -838.1,640.94 h40 r90
  text "MewUp rev1.3-20170927" at -366.1,228.94 h70
  text "www.PayItForward.edu.vn" at -366.1,155.94 h70
  text "www.RaiseYourARM.com" at -366.1,90.94 h70
Bottom Overlay:
  drawing of 3545 lines, arcs and shapes, not listed
  text "\"To the sky" at 593.9,3105.94 h150
  text "and beyond\"" at 148.9,2943.51 h150
  text "--Mew--" at -101.1,2755.94 h150
  text "Designed by: PIF.HW Team" at 358.9,155.94 h70
  text "Raise Your ARM 2017" at 288.9,90.94 h70

## Text inside footprints (layer, text, board x,y; h text height)
J1: Top Overlay "1" at 223.9,3765.94 h40; Mechanical 1 "4" at -137.89,3800.69 h40 r180; Mechanical 1 "3" at -39.47,3800.69 h40 r180; Mechanical 1 "2" at 58.96,3800.69 h40 r180; Mechanical 1 "1" at 153.45,3800.69 h40 r180
J2: Mechanical 1 "5" at -1231.29,2173.72 h40 r90; Mechanical 1 "4" at -1231.29,2073.72 h40 r90; Mechanical 1 "3" at -1231.29,1975.3 h40 r90; Mechanical 1 "2" at -1231.29,1876.87 h40 r90; Mechanical 1 "1" at -1231.29,1782.39 h40 r90
J3: Top Overlay "1" at 1455.9,3350.94 h40 r90; Mechanical 1 "7" at 1328.07,2765.2 h40 r270; Mechanical 1 "6" at 1328.07,2863.62 h40 r270; Mechanical 1 "1" at 1328.07,3357.32 h40 r270; Mechanical 1 "2" at 1328.07,3262.83 h40 r270; Mechanical 1 "3" at 1328.07,3164.41 h40 r270; Mechanical 1 "4" at 1328.07,3065.98 h40 r270; Mechanical 1 "5" at 1328.07,2965.98 h40 r270
J4: Mechanical 1 "1" at -229.35,1227.4 h40 r90; Mechanical 1 "2" at -229.35,1321.89 h40 r90; Mechanical 1 "3" at -229.35,1420.31 h40 r90; Mechanical 1 "4" at -229.35,1518.74 h40 r90; Mechanical 1 "5" at -229.35,1618.74 h40 r90
J5: Top Overlay "1" at 598.37,1412.38 h40 r90; Mechanical 1 "7" at 574.75,2074.58 h40 r90; Mechanical 1 "6" at 574.75,1976.16 h40 r90; Mechanical 1 "1" at 574.75,1482.46 h40 r90; Mechanical 1 "2" at 574.75,1576.94 h40 r90; Mechanical 1 "3" at 574.75,1675.37 h40 r90; Mechanical 1 "4" at 574.75,1773.8 h40 r90; Mechanical 1 "5" at 574.75,1873.8 h40 r90
J6A: Mechanical 1 "4" at -1258.24,3593.8 h40 r270; Mechanical 1 "3" at -1360.6,3593.8 h40 r270; Mechanical 1 "6" at -1257.05,3494.98 h40 r270; Mechanical 1 "1" at -1359.42,3690.65 h40 r270; Mechanical 1 "2" at -1258.24,3696.17 h40 r270; Mechanical 1 "5" at -1360.6,3495.38 h40 r270
J6B: Mechanical 1 "4" at 1329.17,3593.8 h40 r270; Mechanical 1 "3" at 1226.8,3593.8 h40 r270; Mechanical 1 "6" at 1330.35,3494.98 h40 r270; Mechanical 1 "1" at 1227.98,3690.65 h40 r270; Mechanical 1 "2" at 1329.17,3696.17 h40 r270; Mechanical 1 "5" at 1226.8,3495.38 h40 r270
J6C: Mechanical 1 "4" at -787.57,1067.03 h40; Mechanical 1 "3" at -787.57,964.67 h40; Mechanical 1 "6" at -688.75,1068.21 h40; Mechanical 1 "1" at -884.42,965.85 h40; Mechanical 1 "2" at -889.93,1067.03 h40; Mechanical 1 "5" at -689.14,964.67 h40
J6D: Mechanical 1 "4" at 787.63,996.17 h40 r180; Mechanical 1 "3" at 787.63,1098.53 h40 r180; Mechanical 1 "6" at 688.81,994.98 h40 r180; Mechanical 1 "1" at 884.48,1097.35 h40 r180; Mechanical 1 "2" at 889.99,996.17 h40 r180; Mechanical 1 "5" at 689.2,1098.53 h40 r180
J8: Top Overlay "1" at 698.16,2510.34 h40 r90; Mechanical 1 "1" at 674.54,2582.39 h40 r90; Mechanical 1 "2" at 674.54,2676.87 h40 r90; Mechanical 1 "3" at 674.54,2775.3 h40 r90; Mechanical 1 "4" at 674.54,2873.72 h40 r90; Mechanical 1 "5" at 674.54,2973.72 h40 r90; Mechanical 1 "6" at 673.35,3075.3 h40 r90
J9: Mechanical 1 "4" at -1262.78,2953.71 h40 r270; Mechanical 1 "3" at -1262.78,3052.14 h40 r270; Mechanical 1 "2" at -1262.78,3150.56 h40 r270; Mechanical 1 "1" at -1262.78,3245.05 h40 r270
J10: Mechanical 1 "GND" at -653.91,5117.68 h40 r180; Mechanical 1 "VBAT" at -638.17,4873.58 h40 r180
J11: Top Overlay "1" at -456.6,1501.13 h40 r90; Mechanical 1 "4" at -484.22,1873.72 h40 r90; Mechanical 1 "3" at -484.22,1775.3 h40 r90; Mechanical 1 "2" at -484.22,1676.87 h40 r90; Mechanical 1 "1" at -484.22,1582.39 h40 r90
J12: Mechanical 1 "5" at -1262.78,2374.47 h40 r270; Mechanical 1 "4" at -1262.78,2474.47 h40 r270; Mechanical 1 "3" at -1262.78,2572.9 h40 r270; Mechanical 1 "2" at -1262.78,2671.32 h40 r270; Mechanical 1 "1" at -1262.78,2765.81 h40 r270
J13: Mechanical 1 "5" at 1528.37,2966.38 h40 r270; Mechanical 1 "4" at 1528.37,3066.38 h40 r270; Mechanical 1 "3" at 1528.37,3164.8 h40 r270; Mechanical 1 "2" at 1528.37,3263.23 h40 r270; Mechanical 1 "1" at 1528.37,3357.72 h40 r270
P8: Top Overlay "2" at -1026.1,3885.94 h40 r270; Top Overlay "1" at -907.05,3867.43 h40 r270; Mechanical 1 "46" at -1010.99,1604.04 h40 r270; Mechanical 1 "45" at -910.6,1604.83 h40 r270; Mechanical 1 "1" at -914.54,3791.44 h40 r270; Mechanical 1 "2" at -1015.32,3795.77 h40 r270; Mechanical 1 "5" at -915.72,3595.77 h40 r270; Mechanical 1 "10" at -1010.99,3398.92 h40 r270; Mechanical 1 "15" at -910.2,3100.89 h40 r270; Mechanical 1 "20" at -1009.81,2902.46 h40 r270; Mechanical 1 "25" at -911.39,2602.46 h40 r270; Mechanical 1 "30" at -1009.81,2403.65 h40 r270; Mechanical 1 "35" at -910.6,2102.07 h40 r270; Mechanical 1 "40" at -1010.2,1904.04 h40 r270
P9: Top Overlay "2" at 868.9,3880.94 h40 r270; Top Overlay "1" at 992.94,3867.43 h40 r270; Mechanical 1 "46" at 889.01,1604.04 h40 r270; Mechanical 1 "45" at 989.4,1604.83 h40 r270; Mechanical 1 "1" at 985.46,3791.44 h40 r270; Mechanical 1 "2" at 884.68,3795.77 h40 r270; Mechanical 1 "5" at 984.28,3595.77 h40 r270; Mechanical 1 "10" at 889.01,3398.92 h40 r270; Mechanical 1 "15" at 989.8,3100.89 h40 r270; Mechanical 1 "20" at 890.19,2902.46 h40 r270; Mechanical 1 "25" at 988.61,2602.46 h40 r270; Mechanical 1 "30" at 890.19,2403.65 h40 r270; Mechanical 1 "35" at 989.4,2102.07 h40 r270; Mechanical 1 "40" at 889.8,1904.04 h40 r270
Q1: Mechanical 1 "E" at 1248.92,2098.86 h40; Mechanical 1 "C" at 1208.37,2104.37 h40; Mechanical 1 "B" at 1168.61,2096.5 h40
SP1: Top Overlay "+" at 1463.61,2460 h70 r180
U2: Mechanical 1 "1" at -314.32,3499.25 h40 r270; Mechanical 1 "5" at -318.26,3424.45 h40 r270; Mechanical 1 "6" at -247.39,3424.45 h40 r270; Mechanical 1 "10" at -247.39,3503.19 h40 r270
U3: Top Overlay "*" at 169,1349 h40 r180; Mechanical 13 "*" at 169,1348 h40 r180; Mechanical 13 "RefDes2" at 70.1,1487.98 h40 r180
U5: Top Overlay "*" at -423,2403.5 h50 r90; Mechanical 13 "RefDes2" at -131,2598 h50 r90; Mechanical 13 "*" at -423,2403.5 h50 r90